# KiCad board pcb.kicad_pcb
title: Sitina 1 Sensor Board; date: 2024-07-31; rev: R0.11B; company: Copyright 2024 Wenting Zhang; note: MERCHANTABILITY, SATISFACTORY QUALITY AND FITNESS FOR A PARTICULAR PURPOSE.; note: This source is distributed WITHOUT ANY EXPRESS OR IMPLIED WARRANTY, INCLUDING OF; note: This source describes Open Hardware and is licensed under the CERN-OHL-S v2.
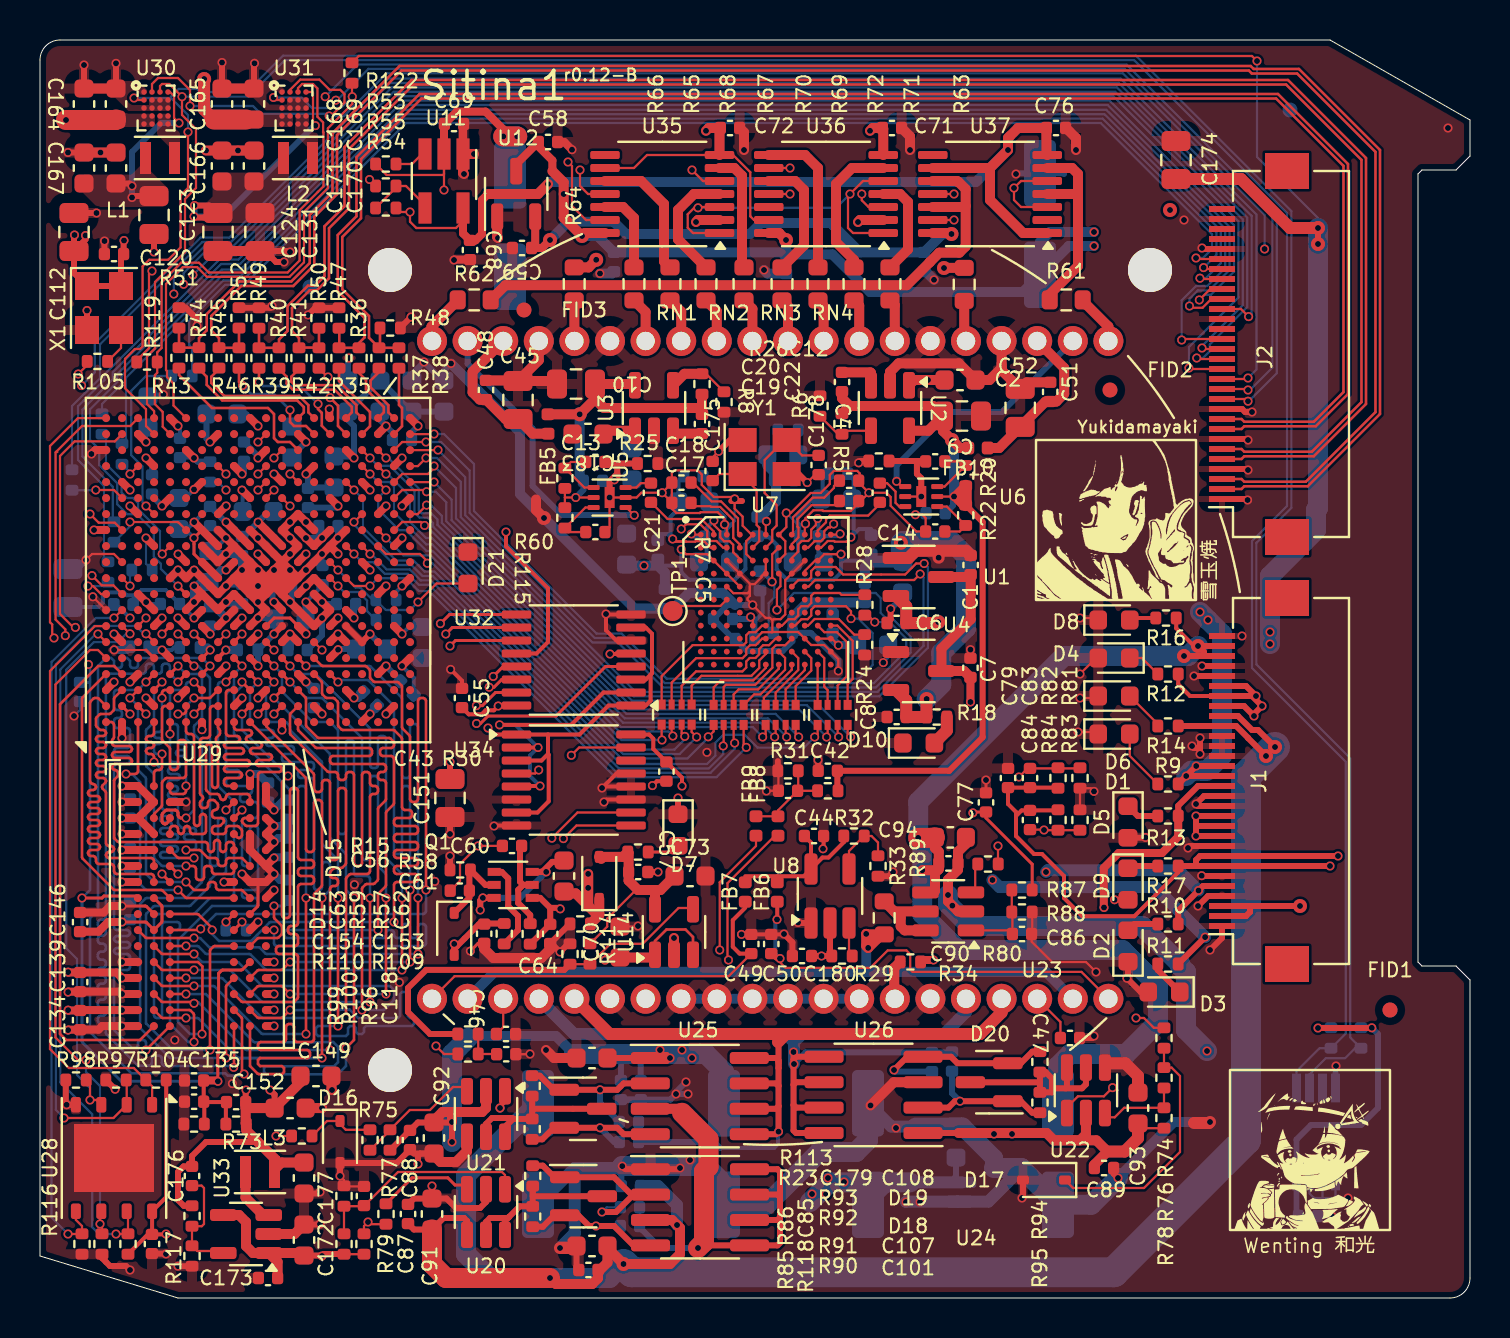
[diagram p0: board, top side]
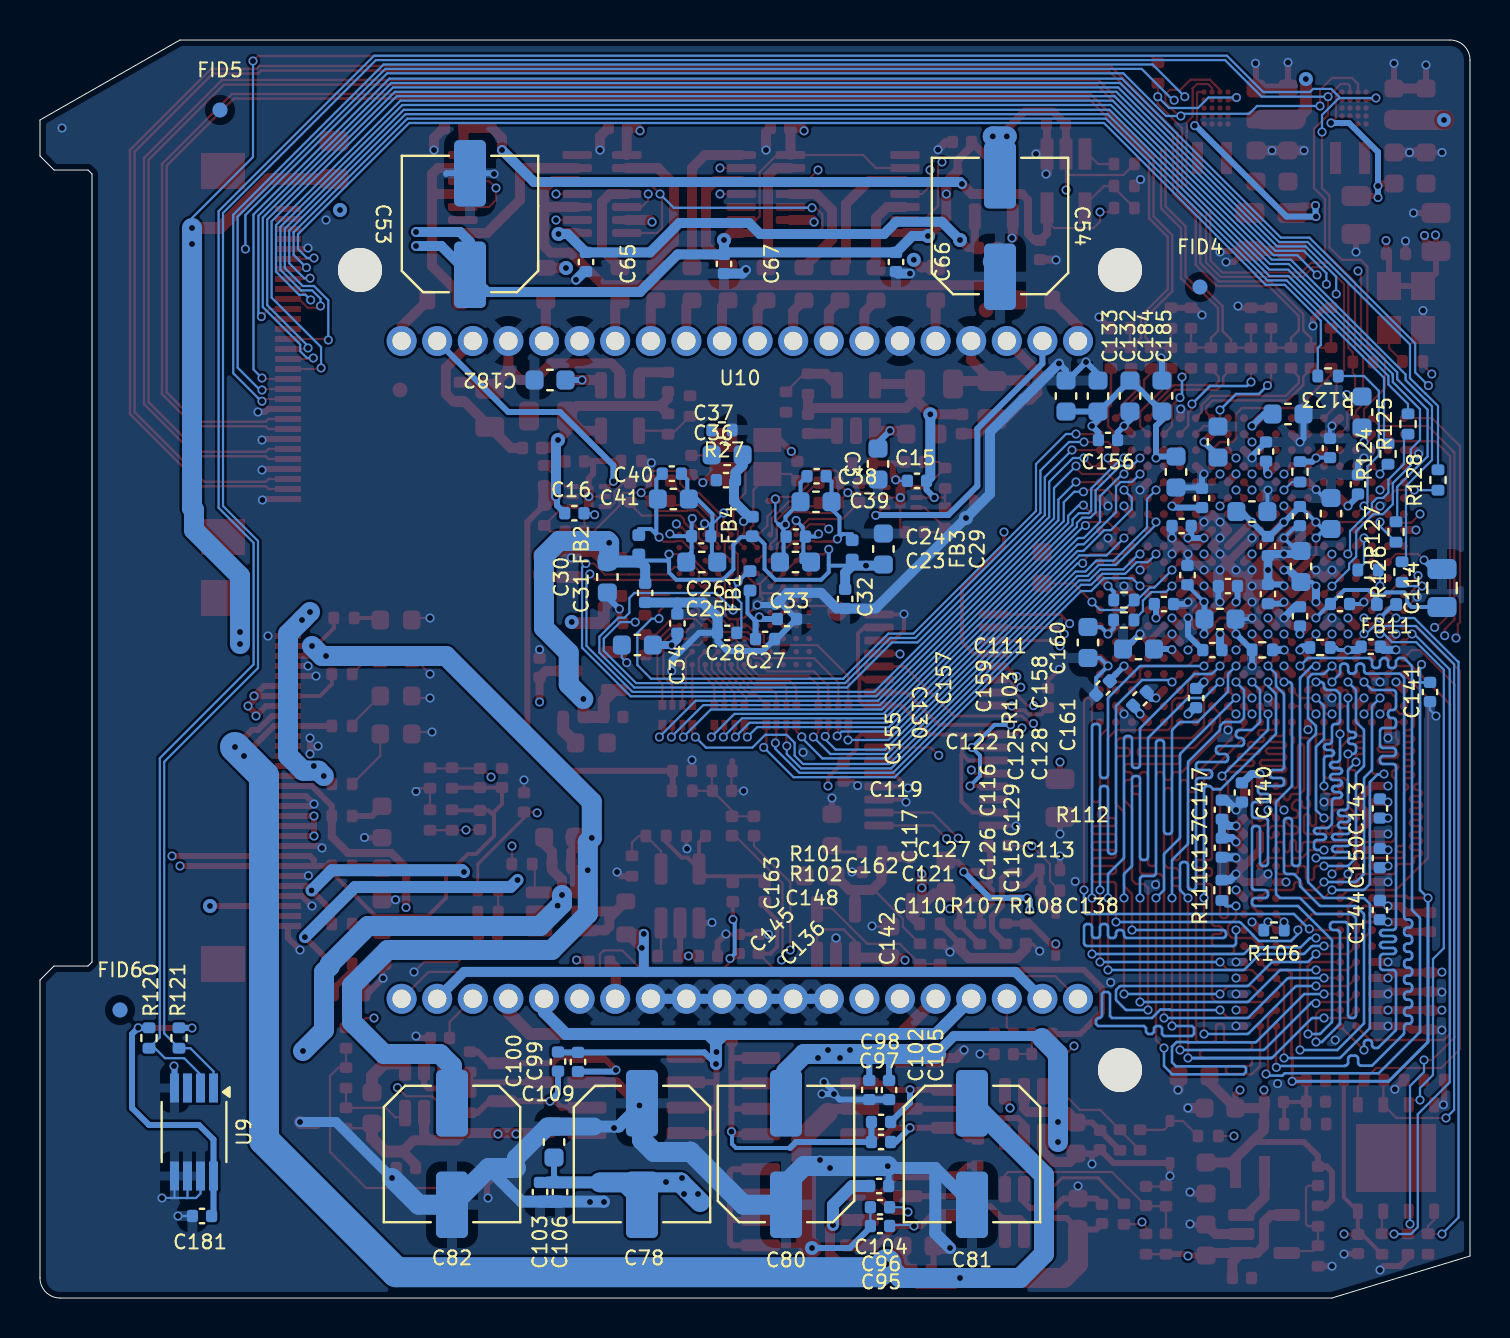
[diagram p1: board, bottom side, seen from below]

Outline 71.5 x 62.9 mm; copper layers: Top, In1.Cu (plane), In2.Cu, In3.Cu, In4.Cu, Bottom. Coordinates in mm from the lower left corner of the outline.
Outline path: 0,61.9 arc(0.29,62.61) 1,62.9 64.5,62.9 71.5,58.9 71.5,57.1 70.8,56.4 69.1,56.4 68.9,56.2 68.9,16.8 69.1,16.6 70.8,16.6 71.5,15.9 71.5,1 arc(71.21,0.29) 70.5,0 6.9,0 0,2.1 0,61.9
Stack: Top 0.035mm / dielectric 0.1mm FR4 er 4.2 / In1.Cu 0.0152mm / dielectric 0.167mm FR4 er 4.2 / In2.Cu 0.0152mm / dielectric 0.1mm FR4 er 4.2 / In3.Cu 0.035mm / dielectric 0.167mm FR4 er 4.5 / In4.Cu 0.035mm / dielectric 0.1mm FR4 er 4.5 / Bottom 0.035mm

## Placement (name value [footprint] x y rotation side)
C1  1uF  [C_0402_1005Metric]  46.53 36.65 90 top
C2  10uF 25V  [C_0603_1608Metric]  46 45.9 0 top
C3  10uF 25V  [C_0603_1608Metric]  29.6 41.7 270 bottom
C4  100nF  [C_0402_1005Metric]  40.1 45.8 270 top
C5  100nF  [C_0402_1005Metric]  33.1 43.7 90 top
C6  1uF  [C_0402_1005Metric]  42.83 33.75 180 top
C7  1uF  [C_0402_1005Metric]  46.52 31.51 90 top
C8  1uF  [C_0402_1005Metric]  42.83 29.05 180 top
C9  22uF 25V  [C_0805_2012Metric]  46.1 44.1 0 top
C10  22uF 25V  [C_0805_2012Metric]  26.8 45.7 180 top
C11  100nF  [C_0402_1005Metric]  27.77 38.3 0 top
C12  100nF  [C_0402_1005Metric]  44.76 41.83 180 top
C13  100nF  [C_0402_1005Metric]  27.77 41.8 0 top
C14  100nF  [C_0402_1005Metric]  44.76 38.32 180 top
C15  100nF  [C_0402_1005Metric]  27.65 40.86 0 bottom
C16  100nF  [C_0402_1005Metric]  44.78 39.24 180 bottom
C17  1uF  [C_0402_1005Metric]  32.07 39.76 180 top
C18  1uF  [C_0402_1005Metric]  32.07 40.77 180 top
C19  1uF  [C_0402_1005Metric]  40.45 39.85 0 top
C20  1uF  [C_0402_1005Metric]  40.45 40.87 0 top
C21  100nF  [C_0402_1005Metric]  30.55 40.26 90 top
C22  100nF  [C_0402_1005Metric]  41.99 40.26 90 top
C23  10uF  [C_0603_1608Metric]  33.72 36.8 180 bottom
C24  100nF  [C_0402_1005Metric]  33.71 38.07 180 bottom
C25  10uF  [C_0603_1608Metric]  38.41 36.8 0 bottom
C26  100nF  [C_0402_1005Metric]  38.44 38.09 0 bottom
C27  100nF  [C_0402_1005Metric]  35.24 32.95 0 bottom
C28  100nF  [C_0402_1005Metric]  37.14 33.25 180 bottom
C29  10uF  [C_0603_1608Metric]  29.33 37.45 270 bottom
C30  10uF  [C_0603_1608Metric]  43.13 36.05 90 bottom
C31  100nF  [C_0402_1005Metric]  41.24 35.25 90 bottom
C32  100nF  [C_0402_1005Metric]  31.24 34.95 90 bottom
C33  100nF  [C_0402_1005Metric]  34.15 33.95 0 bottom
C34  100nF  [C_0402_1005Metric]  39.63 33.73 270 bottom
C35  10uF  [C_0603_1608Metric]  41.63 32.65 180 bottom
C36  100nF  [C_0402_1005Metric]  37.2 40.89 0 bottom
C37  10uF  [C_0603_1608Metric]  37.14 42.15 0 bottom
C38  100nF  [C_0402_1005Metric]  32.67 41.09 0 bottom
C39  10uF  [C_0603_1608Metric]  32.7 39.81 0 bottom
C40  100nF  [C_0402_1005Metric]  39.91 41.22 180 bottom
C41  10uF  [C_0603_1608Metric]  39.83 39.95 180 bottom
C42  100nF  [C_0402_1005Metric]  39.39 26.36 180 top
C43  4.7uF  [C_0402_1005Metric]  37.4 25.36 180 top
C44  4.7uF  [C_0402_1005Metric]  38.7 23.1 180 top
C45  22uF 25V  [C_0805_2012Metric]  23.9 44.9 90 top
C46  100nF  [C_0402_1005Metric]  23.3 13.2 0 top
C47  100nF  [C_0402_1005Metric]  51.5 13 0 top
C48  100nF  [C_0402_1005Metric]  22.3 45.4 90 top
C49  100nF  [C_0402_1005Metric]  35.56 17.7 90 top
C50  100nF  [C_0402_1005Metric]  36.56 17.7 90 top
C51  100nF  [C_0402_1005Metric]  50.51 45.3 90 top
C52  22uF 25V  [C_0805_2012Metric]  49.01 44.5 90 top
C53  220uF / 6V  [C_Elec_6.3x7.7]  50 53.7 90 bottom
C54  220uF / 6V  [C_Elec_6.3x7.7]  23.5 53.6 90 bottom
C55  100nF  [C_0402_1005Metric]  21.1 30 90 top
C56  100nF  [C_0402_1005Metric]  29.91 21.3 180 top
C57  100nF  [C_0402_1005Metric]  31.32 26.32 270 top
C58  1uF  [C_0402_1005Metric]  25.4 57.8 0 top
C59  1uF  [C_0402_1005Metric]  24.1 52.5 180 top
C60  100nF  [C_0402_1005Metric]  23.6 22.6 180 top
C61  100nF  [C_0402_1005Metric]  20.99 20.37 180 top
C62  100nF  [C_0402_1005Metric]  25.51 18.2 90 top
C63  100nF  [C_0402_1005Metric]  22.21 18.21 270 top
C64  1uF 25V  [C_0603_1608Metric]  26.2 21.1 90 top
C65  100nF  [C_0402_1005Metric]  44.2 51.8 270 bottom
C66  100nF  [C_0402_1005Metric]  28.7 51.8 270 bottom
C67  100nF  [C_0402_1005Metric]  37.3 51.7 270 bottom
C68  1uF  [C_0402_1005Metric]  21.5 52.4 270 top
C69  1uF  [C_0402_1005Metric]  20.7 58.7 0 top
C70  1uF 25V  [C_0603_1608Metric]  29 17.8 90 top
C71  100nF  [C_0402_1005Metric]  42.6 58.5 180 top
C72  100nF  [C_0402_1005Metric]  34.5 58.5 180 top
C73  1uF 25V  [C_0603_1608Metric]  32.5 21.1 0 top
C76  100nF  [C_0402_1005Metric]  50.8 58.5 180 top
C77  DNP  [C_0402_1005Metric]  47.3 24.78 270 top
C78  470uF  [C_Elec_6.3x7.7]  41.4 7.2 270 bottom
C79  DNP  [C_0402_1005Metric]  48.4 26 90 top
C80  470uF  [C_Elec_6.3x7.7]  34.2 7.2 90 bottom
C81  470uF  [C_Elec_6.3x7.7]  24.9 7.2 270 bottom
C82  470uF  [C_Elec_6.3x7.7]  50.9 7.2 270 bottom
C83  100nF  [C_0402_1005Metric]  49.5 26 90 top
C84  100nF  [C_0402_1005Metric]  49.5 23.9 270 top
C85  100nF  [C_0402_1005Metric]  16.2 5.1 270 top
C86  100nF  [C_0402_1005Metric]  49.1 18.2 180 top
C87  100nF  [C_0402_1005Metric]  18.4 4.2 270 top
C88  100nF  [C_0402_1005Metric]  18.5 7.9 270 top
C89  100nF  [C_0402_1005Metric]  53.2 6.5 0 top
C90  100nF  [C_0402_1005Metric]  45.42 21.73 180 top
C91  10uF  [C_0603_1608Metric]  19.6 4.2 270 top
C92  10uF  [C_0603_1608Metric]  19.7 8 270 top
C93  10uF  [C_0603_1608Metric]  54.9 9.5 90 top
C94  10uF  [C_0603_1608Metric]  45.52 23.03 180 top
C95  1nF  [C_0402_1005Metric]  29.5 3.6 180 bottom
C96  1nF  [C_0402_1005Metric]  29.5 4.54 0 bottom
C97  1nF  [C_0402_1005Metric]  29.45 7.8 180 bottom
C98  1nF  [C_0402_1005Metric]  29.45 8.8 0 bottom
C99  1nF  [C_0402_1005Metric]  44.6 11.8 270 bottom
C100  1nF  [C_0402_1005Metric]  45.6 11.82 90 bottom
C101  100nF  [C_0402_1005Metric]  27.42 1.4 0 top
C102  100nF  [C_0402_1005Metric]  30.03 10.4 90 bottom
C103  100nF  [C_0402_1005Metric]  46.5 5.3 90 bottom
C104  1uF  [C_0402_1005Metric]  29.55 5.6 0 bottom
C105  1uF  [C_0402_1005Metric]  29.05 10.4 270 bottom
C106  1uF  [C_0402_1005Metric]  45.5 5.3 270 bottom
C107  10uF  [C_0603_1608Metric]  27.6 2.6 0 top
C108  10uF  [C_0603_1608Metric]  27.6 12 180 top
C109  10uF  [C_0603_1608Metric]  45.8 7.8 90 bottom
C110  470nF  [C_0402_1005Metric]  12.88 32.4 180 bottom
C111  10uF  [C_0603_1608Metric]  9.1 44.2 0 bottom
C112  100uF  [C_0805_2012Metric]  1.7 53.3 270 top
C113  470nF  [C_0402_1005Metric]  6.5 34.7 0 bottom
C114  47uF  [C_0805_2012Metric]  1.4 35.5 270 bottom
C115  470nF  [C_0402_1005Metric]  8.5 34.08 90 bottom
C116  470nF  [C_0402_1005Metric]  10.1 37.6 270 bottom
C117  470nF  [C_0402_1005Metric]  14.12 36.15 90 bottom
C118  470nF  [C_0402_1005Metric]  5.6 2.7 90 top
C119  470nF  [C_0402_1005Metric]  14.42 38.6 0 bottom
C120  470nF  [C_0402_1005Metric]  3.7 52.2 0 top
C121  10uF  [C_0603_1608Metric]  12.5 33.95 180 bottom
C122  10uF  [C_0603_1608Metric]  10.9 39.32 180 bottom
C123  100uF  [C_0805_2012Metric]  5.7 54.15 270 top
C124  100uF  [C_0805_2012Metric]  8.9 53.3 270 top
C125  470nF  [C_0402_1005Metric]  8.5 39.1 270 bottom
C126  470nF  [C_0402_1005Metric]  10.1 35.2 90 bottom
C127  470nF  [C_0402_1005Metric]  12.1 35.6 0 bottom
C128  10uF  [C_0603_1608Metric]  6.95 39.23 90 bottom
C129  10uF  [C_0603_1608Metric]  8.45 36.58 90 bottom
C130  10uF  [C_0603_1608Metric]  14.7 41.3 270 bottom
C131  100uF  [C_0805_2012Metric]  11 53.3 270 top
C132  47uF  [C_0603_1608Metric]  18.6 45.1 90 bottom
C133  47uF  [C_0603_1608Metric]  20.2 45.1 90 bottom
C134  470nF  [C_0402_1005Metric]  2 13.9 270 top
C135  100nF  [C_0402_1005Metric]  7.7 10.88 180 top
C136  470nF  [C_0402_1005Metric]  16.5 29.96 135 bottom
C137  470nF  [C_0402_1005Metric]  12.4 22.52 270 bottom
C138  470nF  [C_0402_1005Metric]  4.96 32.57 180 bottom
C139  470nF  [C_0402_1005Metric]  2 15.8 270 top
C140  470nF  [C_0402_1005Metric]  11.4 25.28 270 bottom
C141  100nF  [C_0402_1005Metric]  2 30.3 270 bottom
C142  470nF  [C_0402_1005Metric]  13.69 30 90 bottom
C143  470nF  [C_0402_1005Metric]  4.5 24.48 90 bottom
C144  470nF  [C_0402_1005Metric]  4.5 19.4 90 bottom
C145  470nF  [C_0402_1005Metric]  18.35 30.5 315 bottom
C146  470nF  [C_0402_1005Metric]  2 18.8 90 top
C147  470nF  [C_0402_1005Metric]  12.4 24.42 90 bottom
C148  10uF  [C_0603_1608Metric]  16.57 32.45 0 bottom
C149  22uF  [C_0603_1608Metric]  13.8 11.1 0 top
C150  470nF  [C_0402_1005Metric]  4.5 22 90 bottom
C151  47uF  [C_0805_2012Metric]  20.5 25 270 top
C152  10uF  [C_0603_1608Metric]  12.5 9.5 0 top
C153  100nF  [C_0402_1005Metric]  9.8 9.8 180 top
C154  100nF  [C_0402_1005Metric]  7.7 9.82 180 top
C155  470nF  [C_0402_1005Metric]  13.4 40 90 bottom
C156  470nF  [C_0402_1005Metric]  18.1 42.9 180 bottom
C157  10uF  [C_0603_1608Metric]  12.6 42.8 90 bottom
C158  470nF  [C_0402_1005Metric]  7 42.5 90 bottom
C159  470nF  [C_0402_1005Metric]  10.2 42.32 90 bottom
C160  10uF  [C_0603_1608Metric]  5.4 44.3 90 bottom
C161  470nF  [C_0402_1005Metric]  5.6 40.68 90 bottom
C162  470nF  [C_0402_1005Metric]  15.3 34.7 180 bottom
C163  10uF  [C_0603_1608Metric]  19.1 32.78 270 bottom
C164  10uF  [C_0603_1608Metric]  2.2 59.7 90 top
C165  10uF  [C_0603_1608Metric]  3.8 59.7 90 top
C166  10uF  [C_0603_1608Metric]  3.8 56.5 90 top
C167  10uF  [C_0603_1608Metric]  2.2 56.5 90 top
C168  10uF  [C_0603_1608Metric]  9.1 59.7 90 top
C169  10uF  [C_0603_1608Metric]  10.7 59.7 90 top
C170  10uF  [C_0603_1608Metric]  10.7 56.6 90 top
C171  10uF  [C_0603_1608Metric]  9.1 56.6 90 top
C172  10uF  [C_0603_1608Metric]  13.2 2.9 90 top
C173  100nF  [C_0402_1005Metric]  11.4 1 0 top
C174  47uF  [C_0805_2012Metric]  56.8 56.9 90 top
C175  18pF  [C_0402_1005Metric]  33.63 41.35 270 top
C176  18pF  [C_0402_1005Metric]  7.6 6.1 90 top
C177  22uF  [C_0603_1608Metric]  13.2 6 270 top
C178  18pF  [C_0402_1005Metric]  38.93 41.65 90 top
C179  470nF  [C_0402_1005Metric]  23.31 12.19 180 top
C180  4.7uF  [C_0402_1005Metric]  38.1 17.1 0 top
C181  100nF  [C_0402_1005Metric]  63.4 4.1 180 bottom
C182  10uF 25V  [C_0603_1608Metric]  46 45.9 0 bottom
C183  10uF 25V  [C_0603_1608Metric]  27.4 43.2 180 top
C184  47uF  [C_0603_1608Metric]  17 45.1 270 bottom
C185  47uF  [C_0603_1608Metric]  15.4 45.1 90 bottom
D1  LED  [LED_0603_1608Metric]  53.7 28.2 0 top
D2  LED  [LED_0603_1608Metric]  54.4 17.6 90 top
D3  LED  [LED_0603_1608Metric]  56.2 15.3 180 top
D4  LED  [LED_0603_1608Metric]  53.7 32 180 top
D5  LED  [LED_0603_1608Metric]  54.4 23.8 270 top
D6  LED  [LED_0603_1608Metric]  53.7 30.1 0 top
D7  LED  [LED_0603_1608Metric]  31.9 23.4 270 top
D8  LED  [LED_0603_1608Metric]  53.7 33.9 0 top
D9  LED  [LED_0603_1608Metric]  54.4 20.7 270 top
D10  LED  [LED_0603_1608Metric]  43.93 27.75 0 top
D14  B0540WS  [D_SOD-323]  20.71 18.2 270 top
D15  B0540WS  [D_SOD-323]  27.96 21 90 top
D16  B0540WS  [D_SOD-323]  15 7.8 270 top
D17  B0540WS  [D_SOD-323]  50.2 5.9 180 top
D18  BAT54S  [SOT-23]  27.18 5.09 0 top
D19  BAT54S  [SOT-23]  27.15 9.46 0 top
D20  BAT54S  [SOT-23]  47.46 10.79 180 top
D21  LED  [LED_0603_1608Metric]  21.4 36.51 270 top
FB1  120R  [L_0402_1005Metric]  36 35.86 270 bottom
FB2  120R  [L_0402_1005Metric]  41.56 37.66 90 bottom
FB3  120R  [L_0402_1005Metric]  30.89 37.41 90 bottom
FB4  120R  [L_0402_1005Metric]  35.88 38.58 90 bottom
FB5  120R  [L_0402_1005Metric]  25.4 43.7 270 top
FB6  120R  [L_0402_1005Metric]  36.86 20.3 270 top
FB7  120R  [L_0402_1005Metric]  35.26 20.3 270 top
FB8  120R  [L_0402_1005Metric]  36.9 23.6 270 top
FB9  120R  [L_0402_1005Metric]  35.8 23.6 270 top
FB10  120R  [L_0402_1005Metric]  46.9 42.5 0 top
FB11  120R  [L_0402_1005Metric]  4.18 34.68 180 bottom
FID1  Fiducial  [Fiducial_0.75mm_Mask1.5mm]  67.5 14.4 0 top
FID2  Fiducial  [Fiducial_0.75mm_Mask1.5mm]  53.5 45.4 0 top
FID3  Fiducial  [Fiducial_0.75mm_Mask1.5mm]  24.2 49.4 0 top
FID4  Fiducial  [Fiducial_0.75mm_Mask1.5mm]  13.5 50.55 180 bottom
FID5  Fiducial  [Fiducial_0.75mm_Mask1.5mm]  62.5 59.4 180 bottom
FID6  Fiducial  [Fiducial_0.75mm_Mask1.5mm]  67.5 14.4 180 bottom
G***  LOGO  [wenting_logo]  63.5 7.4 0 top
G***#2  LOGO  [yukidama_logo]  53.83 38.89 0 top
H1  MountingHole  [MountingHole_2.2mm_M2_DIN965]  17.5 51.4 0 top
H2  MountingHole  [MountingHole_2.2mm_M2_DIN965]  55.5 51.4 0 top
H3  MountingHole  [MountingHole_2.2mm_M2_DIN965]  17.5 11.4 0 top
HS1  Heatsink  [sb_heatsink]  115.8 64.2 0 top
J1  FPC 0.5mm Bottom Contact  [Hirose_FH12-30S-0.5SH_1x30-1MP_P0.50mm_Horizontal]  60.95 25.85 90 top
J2  FPC 0.5mm Bottom Contact  [Hirose_FH12-30S-0.5SH_1x30-1MP_P0.50mm_Horizontal]  60.95 47.2 90 top
L1  FTC201610SR24MBCA  [L_Murata_DFE201610P]  6 57 180 top
L2  FTC201610SR24MBCA  [L_Murata_DFE201610P]  12.9 57 180 top
L3  FTC201610S4R7MBCA  [L_Murata_DFE201610P]  11 6.3 0 top
Q1  BC847BPN  [SOT-363_SC-70-6]  23.66 20.65 0 top
R5  270K 1%  [R_0402_1005Metric]  40.1 43.7 270 top
R6  24K 1%  [R_0402_1005Metric]  39 44.6 90 top
R7  270K 1%  [R_0402_1005Metric]  33.1 45.7 90 top
R8  24K 1%  [R_0402_1005Metric]  34.2 44.8 270 top
R9  10K  [R_0402_1005Metric]  56.4 25.7 0 top
R10  20K  [R_0402_1005Metric]  56.4 18.7 0 top
R11  10K  [R_0402_1005Metric]  56.4 16.7 0 top
R12  5.1K  [R_0402_1005Metric]  56.4 31.2 0 top
R13  5.1K  [R_0402_1005Metric]  56.4 24.1 0 top
R14  5.1K  [R_0402_1005Metric]  56.4 28.6 0 top
R15  5.1K  [R_0402_1005Metric]  29.9 22.3 180 top
R16  3.3K  [R_0402_1005Metric]  56.3 34 0 top
R17  3.3K  [R_0402_1005Metric]  56.4 21.6 0 top
R18  510  [R_0402_1005Metric]  44.83 29.05 180 top
R19  49.9K 1%  [R_0402_1005Metric]  26.24 39.01 270 top
R20  49.9K 1%  [R_0402_1005Metric]  46.29 41.12 90 top
R21  200K 1%  [R_0402_1005Metric]  26.24 40.99 90 top
R22  200K 1%  [R_0402_1005Metric]  46.29 39.14 270 top
R23  22K  [R_0402_1005Metric]  21.4 12.2 180 top
R24  10K  [R_0402_1005Metric]  41.23 32.66 90 top
R25  0  [R_0402_1005Metric]  30.38 41.72 0 top
R26  0  [R_0402_1005Metric]  41.94 41.85 180 top
R27  0  [R_0402_1005Metric]  37.4 43.4 180 bottom
R28  62R  [R_0402_1005Metric]  41.24 34.65 270 top
R29  0  [R_0402_1005Metric]  40.1 17.1 0 top
R30  82K 1%  [R_0402_1005Metric]  39.39 25.36 180 top
R31  270K 1%  [R_0402_1005Metric]  37.4 26.36 180 top
R32  22K  [R_0402_1005Metric]  40.7 23.1 0 top
R33  20K  [R_0402_1005Metric]  41.9 21.6 270 top
R34  0  [R_0402_1005Metric]  43.52 16.8 180 top
R35  62R  [R_0402_1005Metric]  14.95 47 270 top
R36  150R  [R_0402_1005Metric]  15.95 47 270 top
R37  150R  [R_0402_1005Metric]  16.95 47 270 top
R38  62R  [R_0402_1005Metric]  17.95 47 270 top
R39  62R  [R_0402_1005Metric]  10.95 47 270 top
R40  150R  [R_0402_1005Metric]  11.95 47 270 top
R41  150R  [R_0402_1005Metric]  12.95 47 270 top
R42  62R  [R_0402_1005Metric]  13.95 47 270 top
R43  62R  [R_0402_1005Metric]  6.95 47.01 270 top
R44  150R  [R_0402_1005Metric]  7.95 47.01 270 top
R45  150R  [R_0402_1005Metric]  8.95 47.01 270 top
R46  62R  [R_0402_1005Metric]  9.95 47 270 top
R47  120R  [R_0402_1005Metric]  14.95 49 270 top
R48  120R  [R_0402_1005Metric]  17.51 48.5 180 top
R49  120R  [R_0402_1005Metric]  10.95 49 270 top
R50  120R  [R_0402_1005Metric]  13.95 49 270 top
R51  120R  [R_0402_1005Metric]  6.95 49.01 270 top
R52  120R  [R_0402_1005Metric]  9.95 49.01 270 top
R53  0  [R_0402_1005Metric]  17.29 56.7 0 top
R54  20K  [R_0402_1005Metric]  17.29 54.5 180 top
R55  10K  [R_0402_1005Metric]  17.29 55.6 180 top
R57  10K  [R_0402_1005Metric]  24.51 18.2 90 top
R58  10K  [R_0402_1005Metric]  21.01 21.4 180 top
R59  0  [R_0402_1005Metric]  23.21 18.21 90 top
R60  10K  [R_0402_1005Metric]  27.01 18.7 180 top
R61  0.1  [R_0603_1608Metric]  51.31 49.9 0 top
R62  0.1  [R_0603_1608Metric]  21.71 49.9 180 top
R63  0.1  [R_0603_1608Metric]  46.21 50.68 270 top
R64  0.1  [R_0603_1608Metric]  26.71 50.7 270 top
R65  0.1  [R_0603_1608Metric]  31.5 50.7 270 top
R66  0.1  [R_0603_1608Metric]  29.7 50.7 270 top
R67  0.1  [R_0603_1608Metric]  35.2 50.7 270 top
R68  0.1  [R_0603_1608Metric]  33.3 50.7 270 top
R69  0.1  [R_0603_1608Metric]  38.9 50.7 270 top
R70  0.1  [R_0603_1608Metric]  37.1 50.7 270 top
R71  0.1  [R_0603_1608Metric]  42.5 50.7 270 top
R72  0.1  [R_0603_1608Metric]  40.7 50.7 270 top
R73  22  [R_0402_1005Metric]  13.09 8.1 0 top
R74  22  [R_0402_1005Metric]  56.2 13 270 top
R75  5.1K  [R_0402_1005Metric]  16.5 7.9 270 top
R76  5.1K  [R_0402_1005Metric]  56.2 11.01 270 top
R77  5.1K  [R_0402_1005Metric]  17.5 7.9 90 top
R78  5.1K  [R_0402_1005Metric]  56.2 9 90 top
R79  5.1K  [R_0402_1005Metric]  17.3 4.2 90 top
R80  5.1K  [R_0402_1005Metric]  47.4 21.7 180 top
R81  10K  [R_0402_1005Metric]  52 26 270 top
R82  10K  [R_0402_1005Metric]  50.9 26 90 top
R83  10K  [R_0402_1005Metric]  52 23.9 90 top
R84  10K  [R_0402_1005Metric]  50.9 23.9 270 top
R85  10K  [R_0402_1005Metric]  15.2 2.7 270 top
R86  10K  [R_0402_1005Metric]  15.2 5.1 270 top
R87  10K  [R_0402_1005Metric]  49.1 20.4 0 top
R88  10K  [R_0402_1005Metric]  49.1 19.3 180 top
R89  0  [R_0603_1608Metric]  42.21 19 90 top
R90  220  [R_0402_1005Metric]  24.64 4.07 270 top
R91  220  [R_0402_1005Metric]  24.64 6.11 270 top
R92  220  [R_0402_1005Metric]  24.61 8.44 270 top
R93  220  [R_0402_1005Metric]  24.61 10.6 270 top
R94  220  [R_0402_1005Metric]  50 11.81 90 top
R95  220  [R_0402_1005Metric]  50 9.77 90 top
R96  20K  [R_0402_1005Metric]  4.4 2.7 90 top
R97  20K  [R_0402_1005Metric]  3.8 10.9 0 top
R98  20K  [R_0402_1005Metric]  1.8 10.9 0 top
R99  20K  [R_0402_1005Metric]  2.1 2.7 90 top
R100  20K  [R_0402_1005Metric]  3.1 2.7 90 top
R101  1K  [R_0402_1005Metric]  17.3 34.9 180 bottom
R102  4.7K  [R_0402_1005Metric]  17.31 33.9 180 bottom
R103  4.7K  [R_0402_1005Metric]  8.5 41.31 270 bottom
R104  100K  [R_0402_1005Metric]  5.8 10.9 180 top
R105  33R  [R_0402_1005Metric]  2.87 46.83 180 top
R106  100R  [R_0402_1005Metric]  9.8 18.4 0 bottom
R107  82R  [R_0402_1005Metric]  10.38 32.41 180 bottom
R108  82R  [R_0402_1005Metric]  7.49 32.53 0 bottom
R109  1.5K/0.5%  [R_0402_1005Metric]  9.8 8.7 180 top
R110  1.5K/0.5%  [R_0402_1005Metric]  7.7 8.7 180 top
R111  240R 1%  [R_0402_1005Metric]  12.4 20.39 270 bottom
R112  10K  [R_0402_1005Metric]  5.1 36.4 180 bottom
R113  22K  [R_0402_1005Metric]  21.4 13.2 0 top
R114  150K  [R_0402_1005Metric]  27.5 17.2 90 top
R115  10K  [R_0402_1005Metric]  26.5 17.2 270 top
R116  27K  [R_0402_1005Metric]  7.6 4.1 90 top
R117  22K  [R_0402_1005Metric]  7.6 2.1 90 top
R118  5.1K  [R_0402_1005Metric]  16.2 2.7 270 top
R119  10K  [R_0402_1005Metric]  5.35 46.8 0 top
R120  10K  [R_0402_1005Metric]  66.05 13 270 bottom
R121  10K  [R_0402_1005Metric]  64.55 13 270 bottom
R122  10K  [R_0402_1005Metric]  15.6 61.25 270 top
R123  22R  [R_0402_1005Metric]  7.1 46.1 0 bottom
R124  22R  [R_0402_1005Metric]  4.1 42.2 90 bottom
R125  22R  [R_0402_1005Metric]  3.1 43.7 90 bottom
R126  22R  [R_0402_1005Metric]  3.4 36.3 90 bottom
R127  22R  [R_0402_1005Metric]  3.7 38.3 90 bottom
R128  22R  [R_0402_1005Metric]  1.6 40.9 90 bottom
RN1  51  [R_Array_Convex_4x0402]  31.83 29.17 90 top
RN2  51  [R_Array_Convex_4x0402]  34.43 29.15 90 top
RN3  51  [R_Array_Convex_4x0402]  37.03 29.15 90 top
RN4  51  [R_Array_Convex_4x0402]  39.63 29.15 90 top
TP1  TestPoint  [TestPoint_Pad_D1.0mm]  31.63 34.35 0 top
U1  XC6206P152MR  [SOT-23-3]  43.93 36.05 0 top
U2  LT1761-BYP  [TSOT-23-5]  42.5 44.5 270 top
U3  LT1761-BYP  [TSOT-23-5]  30.7 44.5 90 top
U4  XC6206P302MR  [SOT-23-3]  43.93 31.35 0 top
U5  ADA4800  [DFN-6-1EP_1.6x1.6mm_P0.5mm_EP0.5x1.05mm]  28.48 40.02 180 top
U6  ADA4800  [DFN-6-1EP_1.6x1.6mm_P0.5mm_EP0.5x1.05mm]  44.06 40.07 0 top
U7  AD9990  [BGA-112_11x11_8.0x8.0mm]  36.29 34.92 0 top
U8  TPS72301  [SOT-23-5_HandSoldering]  39.5 20.1 90 top
U9  TMP1075DGK  [VSSOP-8_3.0x3.0mm_P0.65mm]  63.8 8.3 270 bottom
U10  KAI-1100x  [KAI-1100X]  36.51 31.4 0 bottom
U11  TPS72301  [SOT-23-5_HandSoldering#2]  20.2 55.85 270 top
U12  XC6206P152MR  [SOT-23-3]  23.81 55.2 90 top
U14  AP2205-W5-7  [SOT-23-5]  31.7 18.3 90 top
U20  1EDN7550B  [SOT-23-6]  22.3 4.3 270 top
U21  1EDN7550B  [SOT-23-6]  22.3 9.2 270 top
U22  1EDN7550B  [SOT-23-6]  52.3 10.38 90 top
U23  1EDN7550B  [SOT-23-6]  45.41 19.33 180 top
U24  IRF9389/7309  [SOIC-8_3.9x4.9mm_P1.27mm]  33 4.54 0 top
U25  IRF9389/7309  [SOIC-8_3.9x4.9mm_P1.27mm]  32.99 10.09 0 top
U26  IRF9389/7309  [SOIC-8_3.9x4.9mm_P1.27mm]  41.68 10.16 180 top
U27  XC7Z010-CLG400  [Xilinx_CLG400]  10.9 36.4 90 top
U28  W25Q128JVP  [WSON-8-1EP_6x5mm_P1.27mm_EP3.4x4mm]  3.7 7 270 top
U29  MT41K256M16HA  [BGA-96_9.0x14.0mm_P0.8mm]  8.09 19.6 0 top
U30  SYR838  [CSP-20_4x5_1.6x2.0mm]  5.8 59.5 0 top
U31  SYR838  [CSP-20_4x5_1.6x2.0mm]  12.7 59.5 0 top
U32  4053  [TSSOP-16_4.4x5mm_P0.65mm]  26.69 31.9 180 top
U33  SY8008  [TSOT-23-5]  10.3 3.2 180 top
U34  4053  [TSSOP-16_4.4x5mm_P0.65mm]  26.69 25.9 0 top
U35  74AC04  [TSSOP-14_4.4x5mm_P0.65mm]  31.11 55.2 180 top
U36  74AC04  [TSSOP-14_4.4x5mm_P0.65mm]  39.3 55.2 180 top
U37  74AC04  [TSSOP-14_4.4x5mm_P0.65mm]  47.5 55.2 180 top
X1  33.33MHz  [Crystal_SMD_3225-4Pin_3.2x2.5mm]  3.2 49.5 270 top
Y1  27MHz  [Crystal_SMD_3225-4Pin_3.2x2.5mm]  36.23 42.05 0 top
